# Allegro board REF_038HX-888005K4R-A100.brd (continued)
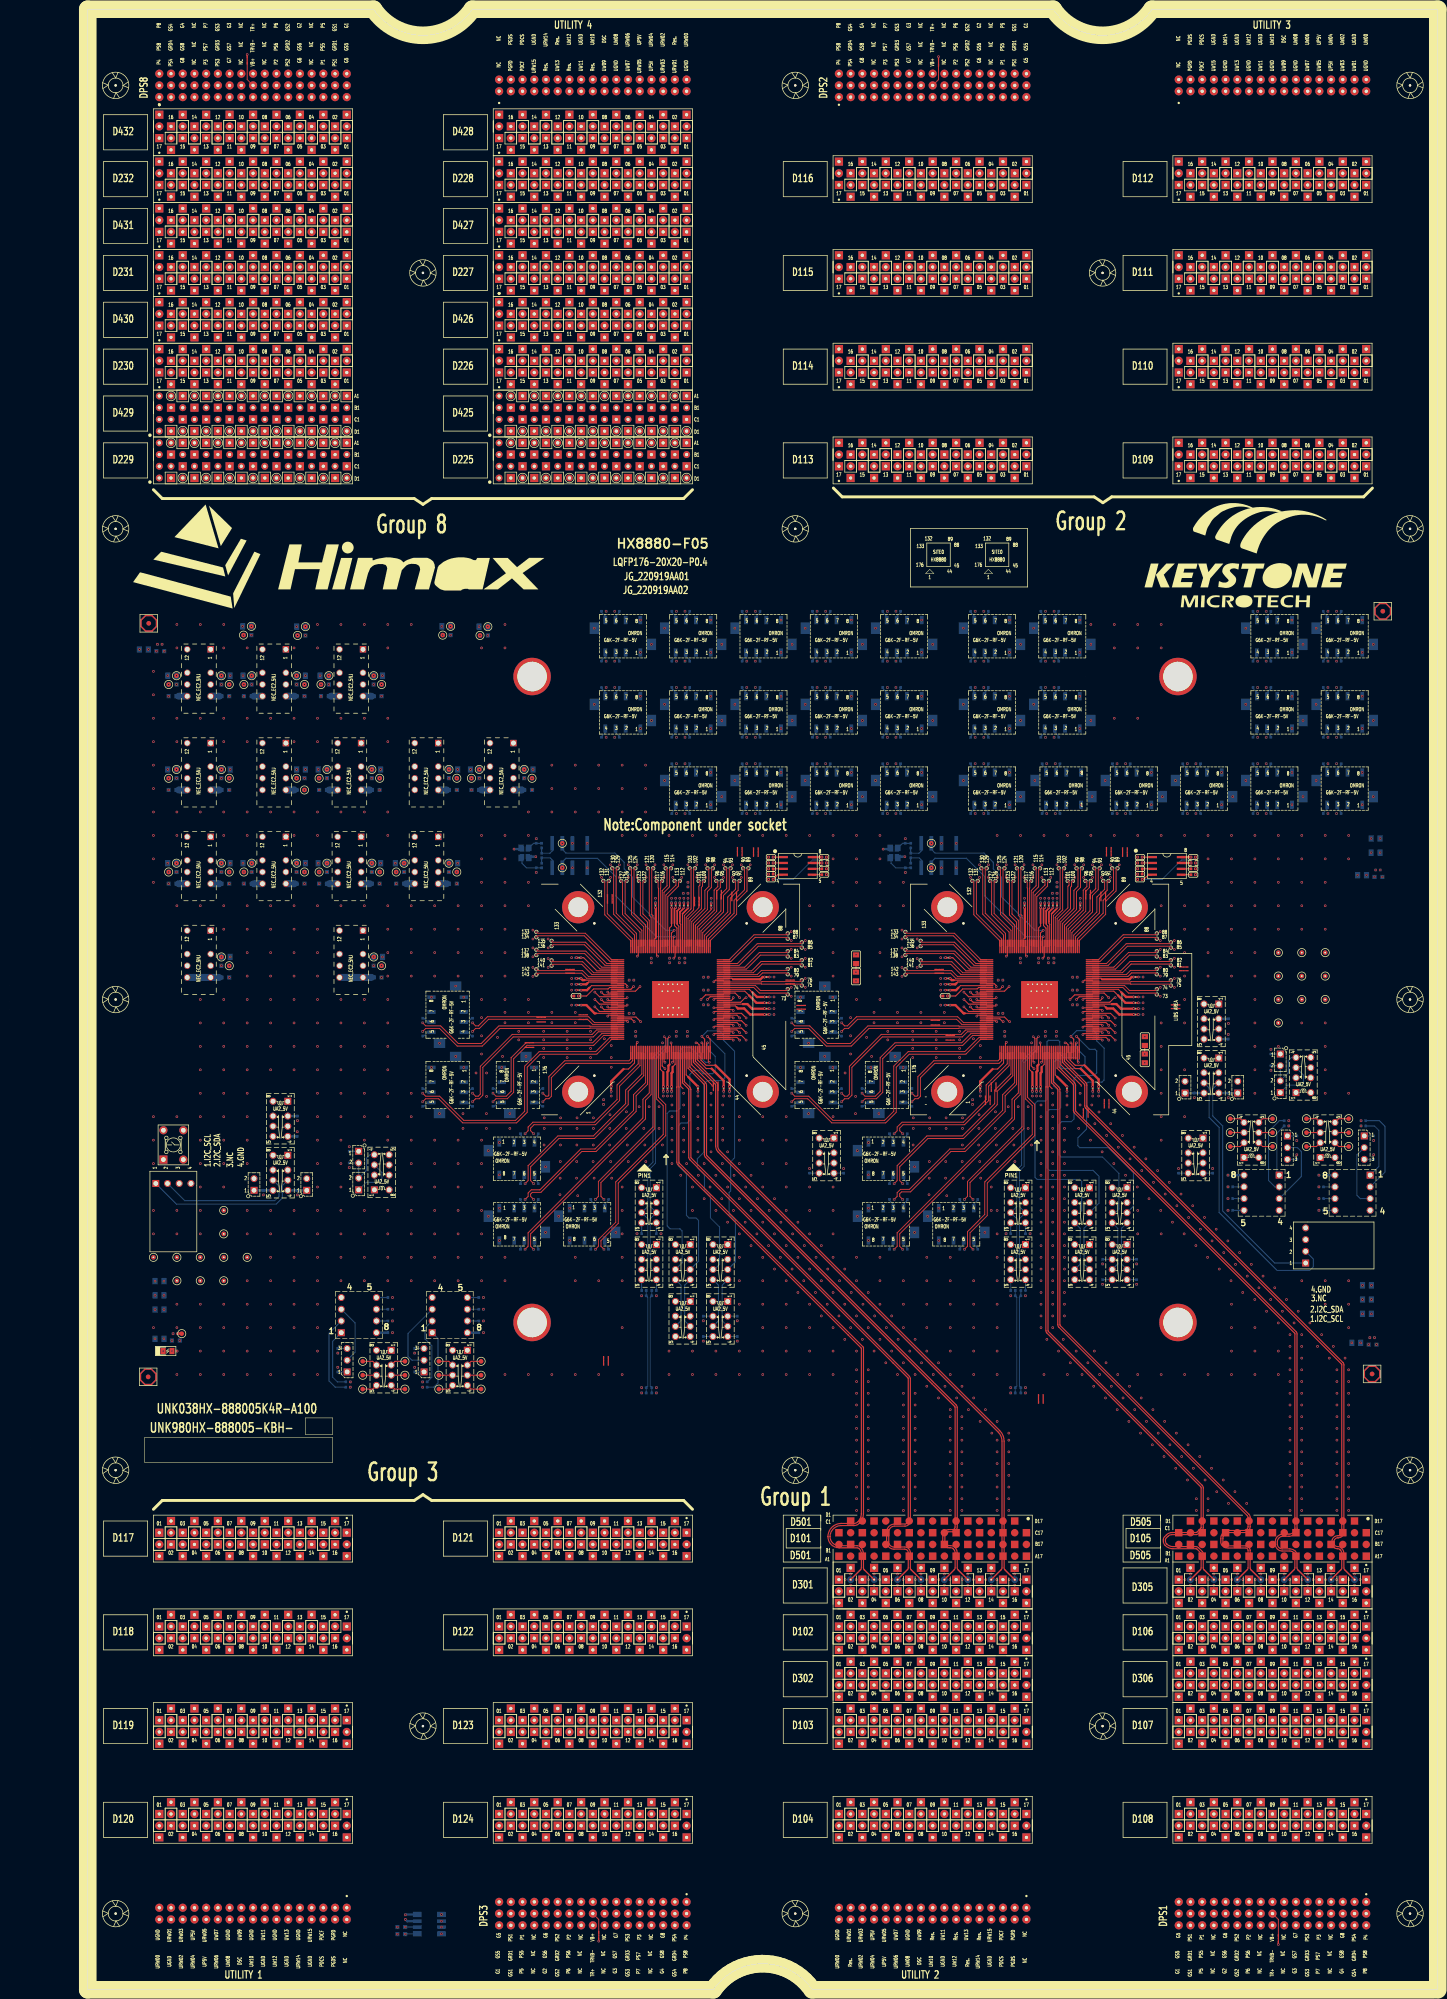
[diagram p0: board, top side]
## Routing (per net, layer and track width the routed paths; a pad name or vN(x,y) marks a point on that pad's centre or on a via; arc(x,y) is an arc through that point) (continued)
  L03_SIGNAL w0.145: D119.12 54.24,69.22 58.16,69.22 61.23,72.28 61.23,108.06 77.74,124.57 77.74,157.1 90.44,169.8 90.44,171.45 97.23,178.24 97.23,196.76 103.23,202.76 105.67,202.76 106.18,203.28 106.18,208.06 108.16,210.04 108.16,211.26 v1(109.92,213.03)
D11913: length 192.3
  TOP w0.231: SITE1.155 112.92,214.43 v1(112.72,214.63)
  L03_SIGNAL w0.145: D119.13 47.32,57.21 49.4,57.21 49.92,57.73 49.92,59.04 62.5,71.61 62.5,107.53 81.17,126.21 81.17,151.66 82.08,152.57 82.08,157.59 95.52,171.03 95.52,172.5 100,176.98 100,197.54 103.23,200.77 107.55,200.77 107.7,200.92 107.7,207.67 109.67,209.65 109.67,210.58 112.02,212.92 112.02,213.93 v1(112.72,214.63)
D11914: length 186
  TOP w0.231: v1(111.32,213.03) 111.92,212.43 SITE1.160
  L03_SIGNAL w0.145: D119.14 48.53,58.91 58.25,68.64 58.4,68.64 61.81,72.04 61.81,72.19 61.86,72.25 61.86,107.79 80.38,126.31 80.38,152.02 81.37,153 81.37,158.73 91.07,168.44 91.07,169.54 95.52,173.99 95.52,175.26 98.09,177.83 98.09,196.53 102.97,201.41 105.69,201.41 106.98,202.7 106.98,207.93 108.88,209.82 108.88,210.58 v1(111.32,213.03)
D11915: length 189.1
  TOP w0.231: v1(112.72,211.03) 112.92,211.23 SITE1.163
  L03_SIGNAL w0.145: v1(112.72,211.03) 111.77,210.08 111.77,208.4 110.83,207.46 110.83,199.71 111.42,199.12 111.42,193.67 110.74,192.99 110.74,181.72 95.55,166.53 95.55,159.94 86.67,151.06 86.67,129.01 64.4,106.75 64.4,69.96 59.96,65.51 59.96,56.58 58.08,54.69 52.26,54.69 D119.15
D11916: length 184.5
  TOP w0.231: v1(112.72,213.03) 112.92,212.83 SITE1.159
  L03_SIGNAL w0.145: v1(112.72,213.03) 112.72,212.77 110.47,210.51 110.47,209.11 109.64,208.29 109.64,201.05 108.73,200.14 103.49,200.14 100.63,197.28 100.63,174.53 96.88,170.77 96.6,170.77 83.44,157.62 83.44,127.58 63.13,107.27 63.13,70.48 58.69,66.04 58.69,63.5 D119.16
D12001: length 297.1
  L03_SIGNAL w0.145: D120.01 14.16,34.21 14.16,32.66 22.15,24.67 78.7,24.67 84.87,30.84 84.87,96.87 91.44,103.43 110.62,103.43 140.62,133.44 140.62,139.63 141.36,140.36 141.36,140.68 141.46,140.79 141.46,145.3 140.66,146.11 140.66,166.76 131.21,176.21 131.21,199.21 129.74,200.68 129.74,205.21 129.04,205.91 129.04,206.75 v1(129.97,207.69)
D12002: length 231.1
  L03_SIGNAL w0.145: D120.02 26.94,46.99 60.16,46.99 63.77,50.6 63.77,63.93 68.21,68.38 68.21,103.91 104.49,140.18 104.49,161.03 110.76,167.3 110.76,172.05 117.74,179.03 117.74,188.61 118.27,189.14 118.27,201.28 118.45,201.46 118.45,204.48 118.03,204.9 118.03,206.94 v1(118.77,207.69)
D12003: length 289.8
  L03_SIGNAL w0.145: D120.03 19.31,34.28 19.31,32.43 26.38,25.35 78.15,25.35 84.19,31.39 84.19,97.15 91.16,104.11 110.34,104.11 139.96,133.74 139.96,166.47 130.51,175.92 130.51,198.92 128.59,200.84 128.59,205.47 128.34,205.72 128.34,206.92 v1(127.57,207.69)
D12004: length 234.9
  TOP w0.231: SITE1.164 118.84,210.83 v1(119.84,209.83)
  L03_SIGNAL w0.145: v1(119.84,209.83) 120.23,209.44 120.23,207.32 118.56,205.65 118.56,205.12 118.92,204.75 118.92,204.75 118.98,204.69 118.98,201.25 118.92,201.19 118.92,188.89 118.38,188.35 118.38,178.6 112.61,172.84 112.61,167.98 105.12,160.49 105.12,139.92 68.85,103.64 68.85,68.12 64.4,63.67 64.4,50.34 60.42,46.35 31.38,46.35 D120.04
D12005: length 219.9
  L03_SIGNAL w0.145: D120.05 35.11,26.12 77.78,26.12 83.45,31.8 83.45,97.58 91.36,105.48 102.31,105.48 137.54,140.71 137.54,157.13 K14.2
D12006: length 282.8
  TOP w0.231: SITE1.150 118.71,216.43 v1(119.71,217.43)
  L03_SIGNAL w0.145: D120.06 35.83,45.72 60.69,45.72 65.04,50.07 65.04,63.41 69.48,67.85 69.48,103.38 106.41,140.31 106.41,158.83 107.02,159.44 107.96,159.44 108.55,158.86 108.55,146.7 108.86,146.39 109.57,146.39 109.87,146.69 109.87,159.15 110.33,159.6 111.38,159.6 111.84,159.14 111.84,152.91 112.09,152.66 112.87,152.66 113.1,152.89 113.1,166.22 113.51,166.63 113.51,172.88 119.01,178.38 119.01,187.34 120.31,188.64 120.31,197.77 124.14,201.6 124.14,204.84 121.07,207.91 121.07,216.07 v1(119.71,217.43)
D12007: length 219.9
  L03_SIGNAL w0.145: K14.7 136.72,157.11 136.72,141.26 104.82,109.35 96.65,109.35 96.38,109.07 96.38,108.2 96.57,108.01 98.87,108.01 99.19,107.69 99.19,107.01 98.93,106.75 91.36,106.75 82.82,98.21 82.82,32.08 77.5,26.76 39.55,26.76 D120.07
D12008: length 236.5
  L03_SIGNAL w0.145: v1(122.16,222.59) 121.71,222.14 121.71,210.21 123.81,208.11 123.81,206.75 124.64,205.92 124.95,205.92 125.23,205.65 125.23,201.92 120.94,197.64 120.94,188.37 119.65,187.08 119.65,177.99 116.46,174.8 116.46,168.61 113.9,166.05 113.9,145.33 70.12,101.54 70.12,67.59 65.67,63.15 65.67,49.81 60.95,45.09 40.27,45.09 D120.08
D12009: length 219.9
  L03_SIGNAL w0.145: D120.09 44,27.39 77.24,27.39 82.18,32.34 82.18,98.85 94.14,110.8 105.06,110.8 105.2,110.95 105.2,111.86 104.98,112.09 97.91,112.09 97.63,112.37 97.63,113.23 98.02,113.62 106.97,113.62 121.96,128.61 121.96,131.21 129.46,138.71 129.46,157.18 K15.2
D12010: length 236.2
  TOP w0.231: v1(123.52,224.03) 123.32,224.23 SITE1.118
  L03_SIGNAL w0.145: D120.10 44.72,44.45 61.21,44.45 66.31,49.55 66.31,62.88 70.75,67.33 70.75,101.28 115.23,145.75 115.23,166.5 117.42,168.69 117.42,174.47 121.55,178.61 121.55,186.9 122.45,187.8 122.45,197.91 124.92,200.38 125.53,200.38 125.8,200.65 125.8,205.94 125.49,206.25 125.49,207.61 122.45,210.65 122.45,218.92 123.52,219.99 v1(123.52,224.03)
D12011: length 219.9
  L03_SIGNAL w0.145: D120.11 48.44,28.03 76.97,28.03 81.55,32.6 81.55,99.48 114.86,132.8 116.12,132.8 116.82,132.1 116.82,131.12 109.97,124.26 109.97,123.54 110.95,122.56 111.95,122.56 119.24,129.84 119.24,131.72 120.32,132.8 122.21,132.8 128.52,139.11 128.52,157.19 K15.7
D12012: length 233.9
  L03_SIGNAL w0.145: v1(126.12,222.59) 126.12,221.35 123.09,218.32 123.09,210.91 126.78,207.23 126.78,206.15 127.11,205.82 127.11,201.6 127.62,201.09 127.62,200.13 128.35,199.39 128.35,184.14 124.43,180.21 124.43,177.52 122.08,175.17 122.08,165.03 119.99,162.93 118.78,162.93 118.63,162.79 118.63,143.85 73.21,98.42 73.21,65.94 68.57,61.3 68.57,47.76 57.69,36.87 44.68,36.87 D120.12
D12013: length 195.4
  L03_SIGNAL w0.135: 47.95,33.6 47.95,32.28 49.66,30.56 67.03,30.56 75.9,39.44 75.9,40.65 74.81,41.74 73.15,41.74 68.06,36.65 66.99,36.65 66.24,37.4 66.24,39.14 78.15,51.05 78.15,98.84 121.87,142.55 121.87,158.04
  L03_SIGNAL w0.145: D120.13 47.95,33.6 ; K9.2 122.14,158.31 121.87,158.04
D12014: length 201.2
  TOP w0.231: v1(125.12,199.63) 124.52,200.23 SITE1.18
  L03_SIGNAL w0.145: D120.14 54.24,43.81 61.48,43.81 66.94,49.28 66.94,62.62 71.39,67.06 71.39,101.01 117.02,146.64 117.02,165.81 118.18,166.97 118.18,174.16 122.19,178.17 122.19,186.64 123.09,187.54 123.09,197.6 v1(125.12,199.63)
D12015: length 195.4
  L03_SIGNAL w0.135: 121.46,158.04 121.46,142.72 77.74,99.01 77.74,51.22 65.83,39.31 65.83,37.23 66.82,36.24 68.23,36.24 73.32,41.33 74.64,41.33 75.5,40.48 75.5,39.61 66.86,30.97 49.83,30.97 48.36,32.45 48.36,33.6
  L03_SIGNAL w0.145: D120.15 51.07,34.53 50.7,34.16 48.91,34.16 48.36,33.6 ; 121.46,158.04 121.19,158.31 K9.7
D12016: length 199
  TOP w0.231: v1(126.72,201.03) 126.92,201.23 SITE1.24
  L03_SIGNAL w0.145: D120.16 58.63,43.12 62.57,43.12 67.6,48.16 67.6,61.7 72.24,66.34 72.24,98.82 117.81,144.4 117.81,163.44 119.02,164.65 120.33,164.65 121.11,165.43 121.11,175.58 123.46,177.92 123.46,180.01 123.85,180.4 123.85,180.45 127.39,183.99 127.39,199.5 126.72,200.17 v1(126.72,201.03)
D12101: length 202.3
  TOP w0.231: SITE2.156 191.92,214.03 v1(191.32,214.63)
  L03_SIGNAL w0.145: D121.01 96.15,89.53 132.35,89.53 134.25,91.44 134.25,120.02 145.61,131.37 145.61,150.42 152.03,156.84 152.03,159.34 155.08,162.38 156.4,162.38 170.16,176.14 170.16,179.41 175.53,184.78 175.53,186.7 177.42,188.59 177.42,197.86 182.96,203.4 185.61,203.4 186.26,204.06 186.26,207.97 186.98,208.69 186.98,211.3 189.53,213.85 190.54,213.85 v1(191.32,214.63)
D12102: length 203.7
  TOP w0.203: v2(152.6,192.47) 153.26,193.12 156.05,193.12 161.28,187.9 172.97,187.9 175.26,190.19 175.26,199.96 178.07,202.78 190.34,202.78 193.59,206.03 SITE2.176
  L05_SIGNAL w0.135: 94.24,101.11 94.24,109.72 107.71,123.19 123.66,123.19 124.75,124.28 124.75,162.38 124.92,162.55 124.92,179.06 126.31,180.44 151.79,180.44 153.53,182.19 153.53,192.91 153.25,193.19 152.87,193.19 152.6,192.92 v2(152.6,192.47)
  L05_SIGNAL w0.145: D121.02 91.71,99.37 92.62,100.28 93.4,100.28 94.24,101.11
D12103: length 198.4
  TOP w0.231: SITE2.157 190.93,213.63 v1(189.92,214.63)
  L03_SIGNAL w0.145: v1(189.92,214.63) 189.35,214.63 186.32,211.6 186.32,209.15 185.59,208.42 185.59,205.11 185.18,204.7 178.29,204.7 177.65,204.06 177.65,201.78 175.99,200.12 175.99,188.59 167.93,180.53 167.93,177.07 153.94,163.08 153.94,162.56 151.4,160.02 151.4,157.48 144.97,151.05 144.97,131.63 133.62,120.28 133.62,92.07 131.71,90.17 100.6,90.17 D121.03
D12104: length 203.7
  TOP w0.203: v2(152.6,194.33) 153.26,193.67 156.28,193.67 161.51,188.44 172.74,188.44 174.71,190.42 174.71,200.19 177.85,203.33 190.11,203.33 193.21,206.43 SITE2.175
  L05_SIGNAL w0.135: v2(152.6,194.33) 152.6,193.87 152.87,193.6 153.42,193.6 153.94,193.08 153.94,182.02 151.96,180.03 126.48,180.03 125.33,178.89 125.33,162.38 125.16,162.21 125.16,124.11 123.83,122.79 107.88,122.79 94.65,109.55 94.65,101.2
  L05_SIGNAL w0.145: D121.04 94.65,101.2
D12105: length 282.8
  TOP w0.231: v1(191.32,216.23) 191.92,215.63 SITE2.152
  L03_SIGNAL w0.145: D121.05 100.64,95.21 100.64,93.05 102.88,90.8 131.45,90.8 132.98,92.34 132.98,120.54 144.34,131.9 144.34,154.23 149.49,159.38 149.49,161.93 152.14,164.57 154.26,164.57 166.2,176.51 166.2,183.54 172.12,189.47 172.12,201.42 172.49,201.78 173.54,201.78 173.79,201.53 173.79,189.45 169.47,185.14 169.47,184.31 169.68,184.1 170.35,184.1 175.36,189.11 175.36,200.38 175.8,200.83 175.8,203.03 174.69,204.14 174.69,215.35 175.3,215.96 176.21,215.96 176.63,215.54 176.63,205.39 176.92,205.09 177.79,205.09 178.02,205.33 178.02,215.5 178.46,215.94 179.56,215.94 179.86,215.64 179.86,205.67 180.2,205.33 181.28,205.33 181.61,205.65 181.61,215.35 182.3,216.04 188.34,216.04 188.96,215.42 190.51,215.42 v1(191.32,216.23)
D12106: length 203.7
  TOP w0.203: v2(152.6,207.71) 153.26,208.36 156.27,208.36 160.1,204.53 165.52,204.53 169.34,208.36 188.81,208.36 188.88,208.43 SITE2.170
  L05_SIGNAL w0.135: v2(152.6,207.71) 152.6,208.16 152.87,208.43 153.84,208.43 154.17,208.11 154.17,202.4 157.34,199.22 157.34,187.04 156.23,185.93 156.23,179.43 152.48,175.68 133.86,175.68 131.98,173.8 131.98,122.52 129.15,119.69 110.39,119.69 104.41,113.72 104.41,101.2
  L05_SIGNAL w0.145: 104.41,101.2 103.93,100.72 103.06,100.72 101.87,99.53 D121.06
D12107: length 195.6
  TOP w0.231: SITE2.153 190.93,215.23 v1(189.92,216.23)
  L03_SIGNAL w0.145: v1(189.92,216.23) 188.93,217.22 183.93,217.22 183.53,216.82 173.23,216.82 172.38,215.98 172.38,202.96 170.48,201.06 170.48,190.54 165.48,185.53 165.48,176.92 155.49,166.93 153.23,166.93 148.86,162.56 148.86,160.02 143.7,154.86 143.7,132.16 132.35,120.8 132.35,92.6 131.19,91.44 109.49,91.44 D121.07
D12108: length 203.7
  TOP w0.203: v2(152.6,209.57) 153.26,208.91 156.49,208.91 160.32,205.08 165.29,205.08 169.11,208.9 188.81,208.9 188.88,208.83 SITE2.169
  L05_SIGNAL w0.135: 104.82,101.19 104.82,113.55 110.55,119.28 129.32,119.28 132.39,122.35 132.39,173.63 134.03,175.27 152.65,175.27 156.64,179.26 156.64,185.76 157.75,186.87 157.75,199.39 154.57,202.56 154.57,208.28 154.01,208.84 152.87,208.84 152.6,209.11 v2(152.6,209.57)
  L05_SIGNAL w0.145: D121.08 104.82,101.19
D12109: length 282.8
  TOP w0.231: v1(198.32,217.43) 197.72,216.83 SITE2.149
  L03_SIGNAL w0.145: D121.09 113.93,92.07 130.93,92.07 131.71,92.86 131.71,121.07 143.07,132.42 143.07,158.04 147.76,162.73 147.76,165.32 148.2,165.76 150.65,165.76 159.61,174.72 162.31,174.72 164.76,177.17 164.76,213.54 165.15,213.93 166.2,213.93 166.55,213.57 166.55,195.15 167.04,194.67 167.04,189.99 167.57,189.45 168.34,189.45 168.7,189.82 168.7,195.15 168.21,195.65 168.21,217.75 168.57,218.12 169.38,218.12 169.74,217.76 169.74,203.56 170.15,203.15 170.93,203.15 171.11,203.33 171.11,217.16 171.7,217.75 178.67,217.75 181.23,220.32 190.91,220.32 193.11,218.12 197.63,218.12 v1(198.32,217.43)
D12110: length 203.7
  TOP w0.203: v2(163.41,207.71) 164.06,208.36 164.9,208.36 166.88,210.35 188.34,210.35 189.46,209.23 SITE2.168
  L05_SIGNAL w0.135: v2(163.41,207.71) 163.41,208.16 163.68,208.43 164.06,208.43 164.33,208.16 164.33,205.33 159.65,200.66 159.65,174.62 157.9,172.87 136.88,172.87 134.77,170.76 134.77,167.72 141.97,160.52 141.97,127.91 130.93,116.88 115.37,116.88 114.37,115.87 114.37,113.6 115.48,112.48 115.48,110.04 114.75,109.31 110.06,109.31 109.19,108.44 109.19,105.01 110.31,103.88 114.19,103.88 114.71,103.37 114.71,100.97
  L05_SIGNAL w0.145: D121.10 113.35,100.38 114.13,100.38 114.71,100.97
D12111: length 195.1
  L03_SIGNAL w0.145: D121.11 118.38,92.71 130.66,92.71 131.08,93.13 131.08,121.33 142.43,132.69 142.43,158.67 146.95,163.19 146.95,165.86 148.51,167.42 151.11,167.42 159.34,175.65 161.98,175.65 162.83,176.49 162.83,189.67 162.12,190.38 162.12,213.03 167.97,218.88 178.53,218.88 180.61,220.96 196.24,220.96 v1(198.36,218.83)
D12112: length 203.7
  TOP w0.203: v2(163.41,209.57) 164.06,208.91 164.67,208.91 166.66,210.9 188.57,210.9 189.83,209.63 SITE2.167
  L05_SIGNAL w0.135: v2(163.41,209.57) 163.41,209.11 163.68,208.84 164.23,208.84 164.74,208.33 164.74,205.16 160.06,200.49 160.06,174.46 158.06,172.46 137.05,172.46 135.18,170.59 135.18,167.89 142.38,160.69 142.38,127.74 131.1,116.47 115.54,116.47 114.77,115.7 114.77,113.77 115.89,112.65 115.89,109.87 114.92,108.9 110.23,108.9 109.6,108.27 109.6,105.17 110.48,104.29 114.36,104.29 115.12,103.54 115.12,101.05
  L05_SIGNAL w0.145: D121.12 115.12,101.05
D12113: length 203.7
  TOP w0.203: SITE2.174 191.8,206.83 189.67,204.7 175.22,204.7 172.32,201.8 172.32,194.5 170.94,193.12 168.5,193.12 v2(167.84,192.47)
  L05_SIGNAL w0.135: v2(167.84,192.47) 167.84,192.92 167.58,193.18 167.39,193.18 167.05,192.84 167.05,191.39 167.75,190.69 167.75,188.49 165.78,186.52 165.78,170.65 162.49,167.36 148.59,167.36 148,166.76 148,165.72 148.47,165.24 150.66,165.24 151.5,164.4 151.5,162.89 147.93,159.32 147.93,147.79 148.64,147.07 149.33,147.07 150.06,147.81 150.06,154.51 150.99,155.44 152.51,155.44 153.08,154.87 153.08,129.17 132.29,108.38 132.29,93.23 131,91.94 122.99,91.94 121.71,93.22 121.71,94.46
  L05_SIGNAL w0.145: D121.13 121.71,94.46
D12114: length 203.7
  TOP w0.203: v2(163.41,192.47) 164.06,193.12 164.87,193.12 165.64,193.89 165.64,199.92 172.24,206.52 189.56,206.52 190.67,207.63 SITE2.172
  L05_SIGNAL w0.135: v2(163.41,192.47) 163.41,192.92 163.68,193.19 164.1,193.19 164.38,192.91 164.38,191.65 162.83,190.1 162.83,171.98 161.1,170.25 142.46,170.25 140.69,168.48 140.69,165.76 144.91,161.55 144.91,126.03 129.69,110.81 129.69,107.72 128.89,106.93 127.34,106.93 126.87,107.39 126.87,114.23 126.36,114.74 119.65,114.74 118.6,113.69 118.6,111.68 119.52,110.76 121.95,110.76 122.6,110.11 122.6,108.81 122.09,108.3 119.31,108.3 118.6,107.59 118.6,104.41 119.67,103.34 124.31,103.34 124.82,102.83 124.82,101.06
  L05_SIGNAL w0.145: D121.14 123.52,100.39 124.15,100.39 124.82,101.06
D12115: length 203.7
  TOP w0.203: SITE2.173 191.43,207.23 189.44,205.25 175,205.25 171.77,202.02 171.77,194.73 170.71,193.67 168.5,193.67 v2(167.84,194.33)
  L05_SIGNAL w0.135: v2(167.84,194.33) 167.84,193.87 167.57,193.6 167.23,193.6 166.64,193.01 166.64,191.22 167.34,190.52 167.34,188.66 165.37,186.69 165.37,170.81 162.32,167.77 148.42,167.77 147.59,166.93 147.59,165.55 148.3,164.84 150.49,164.84 151.09,164.23 151.09,163.06 147.52,159.49 147.52,147.62 148.47,146.67 149.5,146.67 150.47,147.64 150.47,154.34 151.16,155.03 152.34,155.03 152.67,154.7 152.67,129.34 131.88,108.55 131.88,93.4 130.83,92.35 123.16,92.35 122.12,93.39 122.12,94.5
  L05_SIGNAL w0.145: D121.15 124.73,96.26 123.46,94.99 122.6,94.99 122.12,94.5
D12116: length 203.7
  TOP w0.203: v2(163.41,194.33) 164.06,193.67 164.64,193.67 165.09,194.12 165.09,200.15 172.01,207.07 189.33,207.07 190.3,208.03 SITE2.171
  L05_SIGNAL w0.135: v2(163.41,194.33) 163.41,193.87 163.68,193.6 164.27,193.6 164.79,193.08 164.79,191.49 163.24,189.93 163.24,171.81 161.27,169.84 142.63,169.84 141.1,168.31 141.1,165.93 145.32,161.71 145.32,125.86 130.1,110.64 130.1,107.55 129.06,106.52 127.17,106.52 126.46,107.22 126.46,114.06 126.19,114.33 119.82,114.33 119.01,113.52 119.01,111.85 119.69,111.17 122.12,111.17 123.01,110.28 123.01,108.64 122.26,107.89 119.48,107.89 119.01,107.42 119.01,104.58 119.84,103.75 124.48,103.75 125.23,103 125.23,101.1
  L05_SIGNAL w0.145: D121.16 125.23,101.1
D12201: length 168.3
  L05_SIGNAL w0.135: 91.07,74.3 91.07,68.81 96.51,63.37 140.74,63.37 154.53,77.17 154.53,83.23 168.45,97.15 195.17,97.15 201.87,103.85 201.87,129.09
  L05_SIGNAL w0.145: 201.87,129.09 202.14,129.36 v1(203.26,129.36) ; 91.07,74.3 D122.01
D12202: length 203.7
  TOP w0.203: v2(178.65,192.47) 179.3,193.12 179.97,193.12 180.49,193.65 180.49,197.69 183.61,200.8 197.55,200.8 198.12,201.37 SITE2.2
  L05_SIGNAL w0.135: v2(178.65,192.47) 178.65,192.92 178.92,193.19 179.38,193.19 179.7,192.87 179.7,191.73 179.02,191.05 173.48,191.05 170.45,188.02 170.45,182.25 167.91,179.7 167.91,167.64 159.02,158.75 159.02,156.21 155.21,152.4 155.21,128.94 135.78,109.51 135.78,92.44 133.56,90.22 98,90.22 93.94,86.15 93.94,80.97
  L05_SIGNAL w0.145: D122.02 93.94,80.97
D12203: length 168.3
  L05_SIGNAL w0.135: 201.46,129.09 201.46,104.02 195,97.56 168.28,97.56 154.12,83.4 154.12,77.34 140.57,63.78 96.68,63.78 91.48,68.98 91.48,74.37
  L05_SIGNAL w0.145: 91.48,74.37 91.92,74.8 93.62,74.8 94.25,75.43 D122.03 ; 201.46,129.09 201.19,129.36 v1(200.06,129.36)
D12204: length 203.7
  TOP w0.203: SITE2.1 197.72,201.74 197.33,201.35 183.38,201.35 179.94,197.91 179.94,193.87 179.74,193.67 179.3,193.67 v2(178.65,194.33)
  L05_SIGNAL w0.135: 94.35,81.04 94.35,85.98 98.17,89.81 133.73,89.81 136.19,92.27 136.19,109.34 155.62,128.77 155.62,152.23 159.43,156.04 159.43,158.58 168.32,167.47 168.32,179.54 170.86,182.08 170.86,187.85 173.65,190.64 179.19,190.64 180.11,191.56 180.11,193.04 179.55,193.6 178.92,193.6 178.65,193.87 v2(178.65,194.33)
  L05_SIGNAL w0.145: D122.04 96.65,78.74 94.35,81.04
D12205: length 213.5
  TOP w0.203: SITE2.16 203.72,193.42 205.29,191.85 205.29,185.15 194.99,174.85 194.99,167.82 191.24,164.07 191.24,161.15 v2(191.9,160.49)
  L05_SIGNAL w0.135: v2(191.9,160.49) 191.44,160.49 191.17,160.23 191.17,149.91 179.83,138.56 179.83,135.72 173.93,129.83 173.93,106.64 151.7,84.4 151.7,78.34 139.26,65.91 104.06,65.91 101.13,68.83 101.13,74.39
  L05_SIGNAL w0.145: D122.05 101.13,74.39
D12206: length 213.5
  TOP w0.203: SITE2.6 199.72,200.3 195.28,195.87 195.28,192.72 190.05,187.49 176.73,187.49 176,186.76 176,186.18 v2(176.66,185.53)
  L05_SIGNAL w0.135: v2(176.66,185.53) 176.2,185.53 175.93,185.8 175.93,186.73 175.42,187.24 173.93,187.24 173.14,186.45 173.14,184.72 173.9,183.95 182.22,183.95 182.73,183.45 182.73,181.71 181.96,180.94 174.28,180.94 171.08,177.74 171.08,166.95 161.15,157.01 161.15,152.57 157.98,149.39 157.98,128.01 138.52,108.56 138.52,89.7 136.68,87.86 105.38,87.86 103.73,86.21 103.73,80.6
  L05_SIGNAL w0.145: D122.06 103.73,80.6
D12207: length 213.5
  TOP w0.203: v2(190.04,160.49) 190.69,161.15 190.69,164.3 194.44,168.05 194.44,175.08 204.74,185.37 204.74,191.62 203.32,193.04 SITE2.15
  L05_SIGNAL w0.135: 101.54,74.42 101.54,69 104.23,66.32 139.09,66.32 151.29,78.51 151.29,84.57 173.52,106.81 173.52,130 179.42,135.89 179.42,138.73 190.76,150.08 190.76,160.23 190.49,160.49 v2(190.04,160.49)
  L05_SIGNAL w0.145: D122.07 104.41,75.62 103.9,75.11 102.23,75.11 101.54,74.42
D12208: length 213.5
  TOP w0.203: SITE2.5 199.32,200.68 194.73,196.09 194.73,192.95 189.82,188.04 176.5,188.04 175.45,186.99 175.45,186.18 v2(174.8,185.53)
  L05_SIGNAL w0.135: 104.14,80.73 104.14,86.04 105.55,87.45 136.85,87.45 138.93,89.53 138.93,108.39 158.38,127.84 158.38,149.22 161.56,152.4 161.56,156.84 171.49,166.78 171.49,177.57 174.45,180.53 182.13,180.53 183.14,181.54 183.14,183.62 182.39,184.36 174.07,184.36 173.55,184.89 173.55,186.28 174.1,186.84 175.25,186.84 175.52,186.56 175.52,185.8 175.25,185.53 v2(174.8,185.53)
  L05_SIGNAL w0.145: 104.14,80.73 104.5,80.37 106.03,80.37 106.95,79.46 D122.08
D12209: length 213.5
  TOP w0.203: SITE2.14 202.92,186.63 191.24,174.95 191.24,171.96 v2(191.9,171.3)
  L05_SIGNAL w0.135: v2(191.9,171.3) 191.44,171.3 191.17,171.03 191.17,168.84 191.66,168.34 194.42,168.34 196.14,166.63 196.14,162.86 195.4,162.12 193.35,162.12 190.84,164.63 187.56,164.63 186.21,163.28 186.21,149.31 177.32,140.42 177.32,137.86 171.12,131.66 171.12,108.64 170.03,107.55 163.49,107.55 148.69,92.75 148.69,80.18 136.99,68.48 113.28,68.48 111.24,70.51 111.24,74.45
  L05_SIGNAL w0.145: D122.09 111.24,74.45
D12210: length 213.5
  TOP w0.203: v2(176.66,174.72) 176,175.37 176,178.38 182.13,184.51 189.83,184.51 197.15,191.83 197.15,194.75 200.52,198.12 SITE2.8
  L05_SIGNAL w0.135: 113.93,80.64 113.93,84.23 115.13,85.44 138.86,85.44 141.08,87.66 141.08,96.58 150.15,105.65 150.15,106.8 149.45,107.49 148.07,107.49 143.25,102.68 141.75,102.68 141.08,103.34 141.08,107.55 159.88,126.35 159.88,141.16 161.37,142.65 166.81,142.65 167.76,143.61 167.76,146.56 167.21,147.1 162.2,147.1 161.55,147.75 161.55,149.28 163.69,151.42 163.69,153.84 172.99,163.14 172.99,174.4 174.64,176.05 175.42,176.05 175.93,175.54 175.93,174.99 176.2,174.72 v2(176.66,174.72)
  L05_SIGNAL w0.145: D122.10 113.93,80.64
D12211: length 213.5
  TOP w0.203: SITE2.13 202.52,187 190.69,175.18 190.69,171.96 v2(190.04,171.3)
  L05_SIGNAL w0.135: 111.65,74.34 111.65,70.68 113.45,68.88 136.82,68.88 148.29,80.35 148.29,92.92 163.32,107.96 169.86,107.96 170.71,108.81 170.71,131.83 176.91,138.03 176.91,140.59 185.8,149.48 185.8,163.45 187.39,165.04 191.01,165.04 193.52,162.53 195.23,162.53 195.73,163.03 195.73,166.46 194.25,167.93 191.5,167.93 190.76,168.67 190.76,171.03 190.49,171.3 v2(190.04,171.3)
  L05_SIGNAL w0.145: 111.65,74.34 112.3,74.99 113.69,74.99 114.57,75.87 D122.11
D12212: length 213.5
  TOP w0.203: SITE2.7 200.12,198.5 196.6,194.98 196.6,192.05 189.6,185.05 181.9,185.05 175.45,178.61 175.45,175.37 v2(174.8,174.72)
  L05_SIGNAL w0.135: 114.33,80.77 114.33,84.06 115.3,85.03 139.03,85.03 141.49,87.49 141.49,96.42 150.56,105.48 150.56,106.96 149.62,107.9 147.9,107.9 143.08,103.08 141.92,103.08 141.49,103.51 141.49,107.38 160.29,126.18 160.29,140.99 161.54,142.25 166.98,142.25 168.17,143.44 168.17,146.73 167.38,147.51 162.37,147.51 161.96,147.92 161.96,149.11 164.1,151.25 164.1,153.67 173.4,162.97 173.4,174.23 174.81,175.64 175.25,175.64 175.52,175.37 175.52,174.99 175.25,174.72 v2(174.8,174.72)
  L05_SIGNAL w0.145: 114.33,80.77 114.91,80.19 116.5,80.19 117.11,79.58 D122.12
D12213: length 213.5
  TOP w0.203: SITE2.10 201.32,196.22 198.86,193.76 198.86,190.36 190.18,181.68 187.09,181.68 178.35,172.94 176.41,172.94 176,172.53 176,171.96 v2(176.66,171.3)
  L05_SIGNAL w0.135: 121.46,74.39 121.46,72.12 122.76,70.82 136.01,70.82 146.35,81.15 146.35,94.49 165.37,113.51 165.37,135.41 166.18,136.22 170.63,136.22 174.28,139.86 174.28,142.67 183.5,151.89 183.5,174.02 182.55,174.98 180.62,174.98 179.68,174.04 179.68,166.05 179.16,165.53 176.54,165.53 175.93,166.14 175.93,171.03 176.2,171.3 v2(176.66,171.3)
  L05_SIGNAL w0.145: D122.13 121.46,74.39
D12214: length 213.5
  TOP w0.203: SITE2.12 202.12,194 200.89,192.77 200.89,188.73 176,163.84 176,161.15 v2(176.66,160.49)
  L05_SIGNAL w0.135: v2(176.66,160.49) 176.2,160.49 175.93,160.76 175.93,161.31 175.42,161.82 174.32,161.82 173.48,160.98 173.48,158.42 167.51,152.45 167.51,150.65 168.66,149.49 170.32,149.49 178.61,157.78 179.84,157.78 180.73,156.89 180.73,154.74 171.26,145.27 171.26,142.28 168.87,139.88 164.52,139.88 162.83,138.2 162.83,114.56 143.6,95.33 143.6,83.11 136.34,75.85 133.68,75.85 132.88,76.65 132.88,81.88 131.66,83.1 124.75,83.1 124.12,82.46 124.12,80.67
  L05_SIGNAL w0.145: D122.14 124.12,80.67
D12215: length 213.5
  TOP w0.203: v2(174.8,171.3) 175.45,171.96 175.45,172.76 176.18,173.49 178.12,173.49 186.86,182.23 189.95,182.23 198.31,190.59 198.31,193.99 200.92,196.6 SITE2.9
  L05_SIGNAL w0.135: 121.87,74.43 121.87,72.29 122.93,71.23 135.85,71.23 145.94,81.32 145.94,94.66 164.96,113.68 164.96,135.58 166.01,136.62 170.46,136.62 173.87,140.03 173.87,142.84 183.09,152.06 183.09,173.85 182.38,174.57 180.78,174.57 180.09,173.87 180.09,165.88 179.33,165.12 176.37,165.12 175.52,165.97 175.52,171.03 175.25,171.3 v2(174.8,171.3)
  L05_SIGNAL w0.145: 121.87,74.43 122.5,75.06 123.97,75.06 124.73,75.83 D122.15
D12216: length 213.5
  TOP w0.203: v2(174.8,160.49) 175.45,161.15 175.45,164.07 200.34,188.96 200.34,193 201.72,194.38 SITE2.11
  L05_SIGNAL w0.135: 124.53,80.69 124.53,82.29 124.92,82.69 131.49,82.69 132.47,81.71 132.47,76.48 133.51,75.44 136.51,75.44 144.01,82.95 144.01,95.17 163.24,114.39 163.24,138.03 164.69,139.48 169.04,139.48 171.67,142.11 171.67,145.1 181.14,154.57 181.14,157.06 180.01,158.19 178.44,158.19 170.15,149.9 168.83,149.9 167.92,150.82 167.92,152.28 173.89,158.25 173.89,160.81 174.49,161.41 175.25,161.41 175.52,161.14 175.52,160.76 175.25,160.49 v2(174.8,160.49)
  L05_SIGNAL w0.145: 124.53,80.69 125.02,80.21 126.65,80.21 127.27,79.58 D122.16
